# Altium PCB 机器人.PcbDoc (part 13 of 14) (continued)
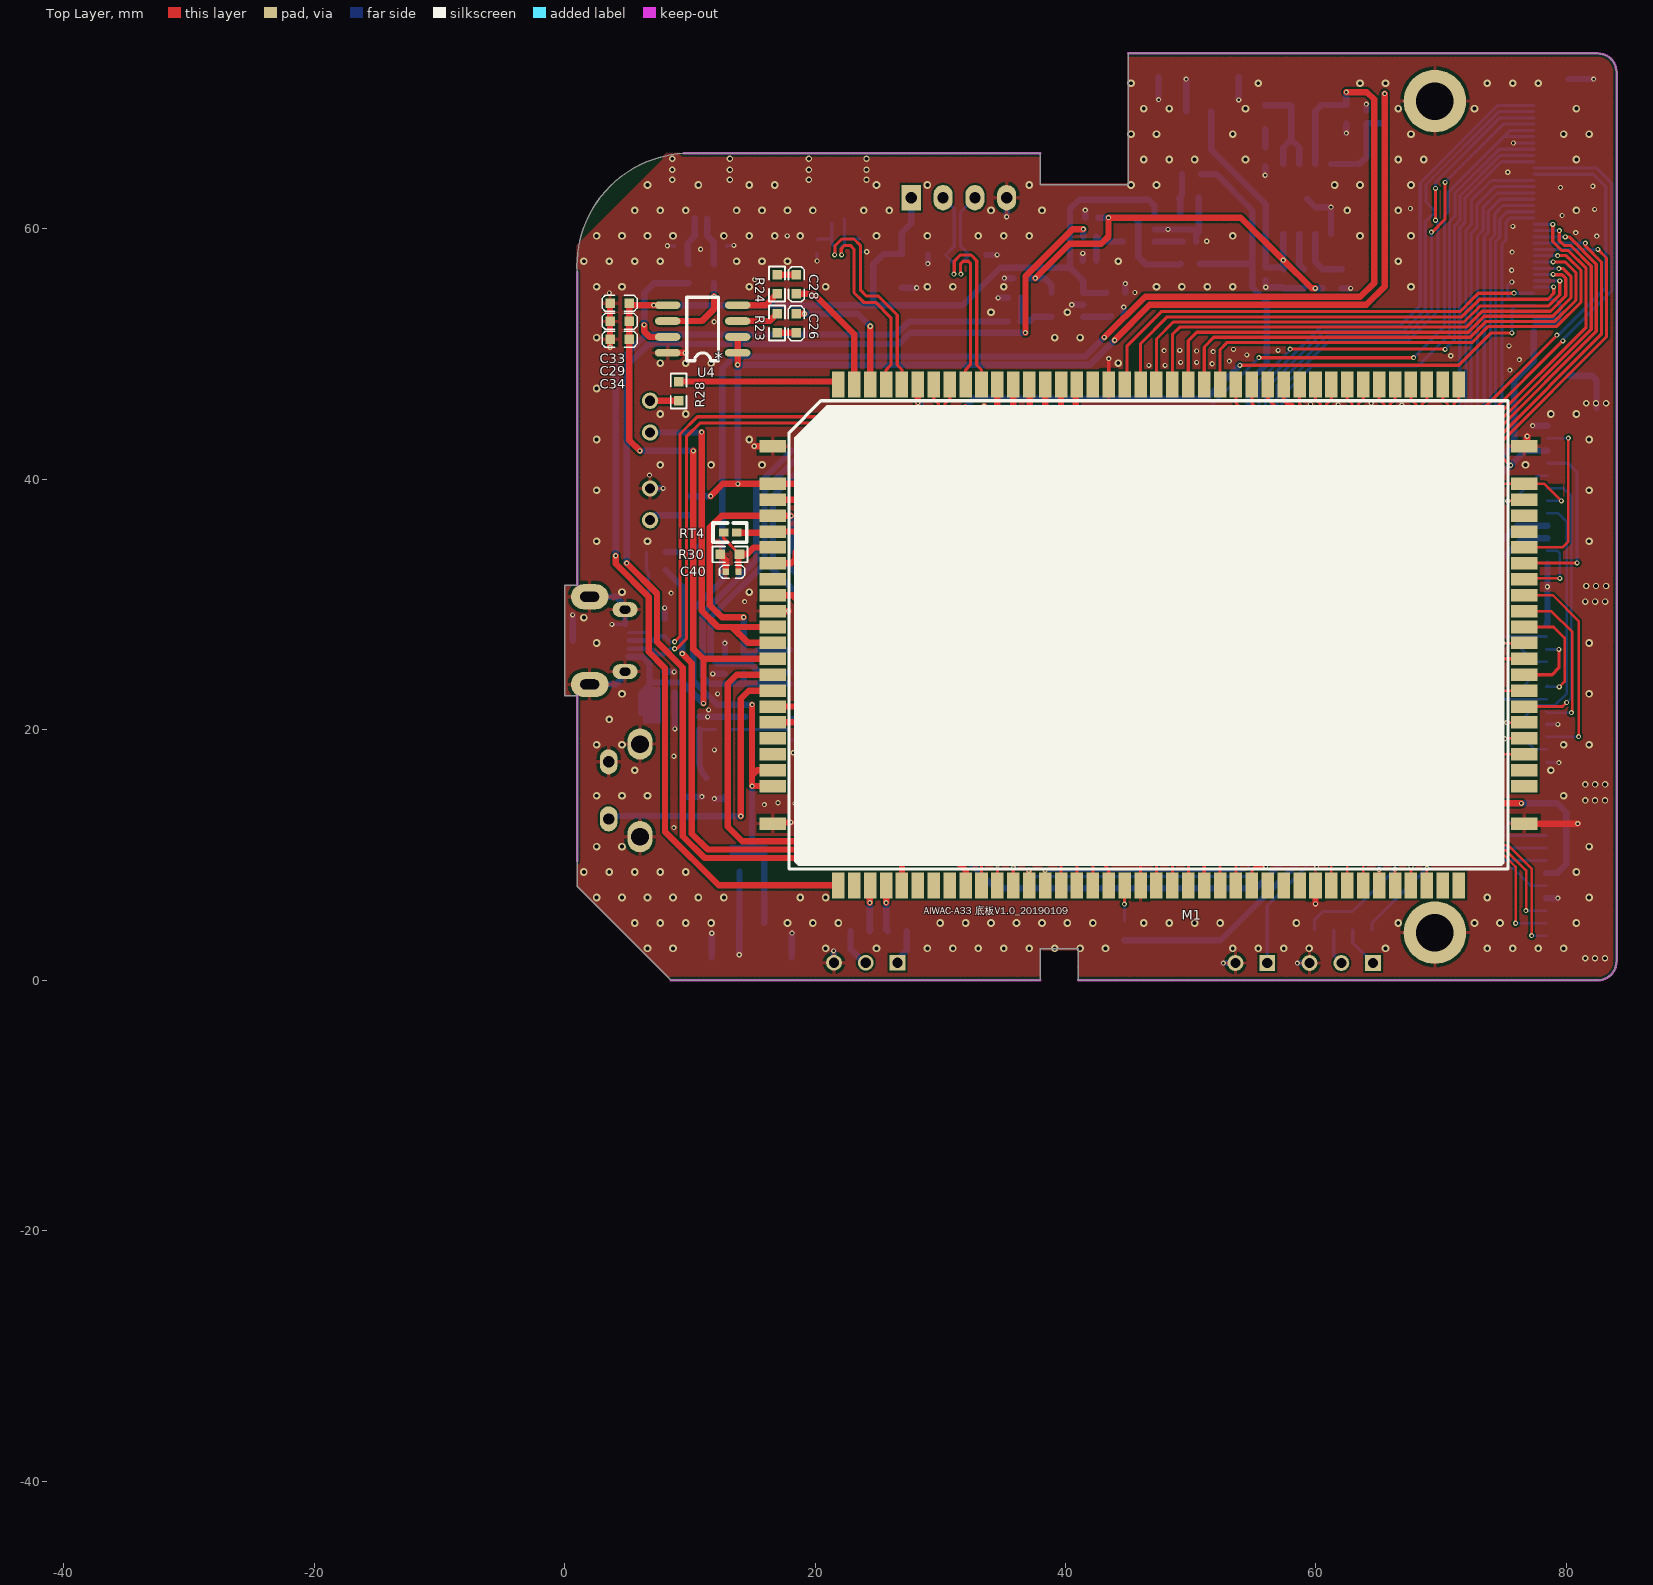
[diagram p0: Top Layer view]
## Nets (pads, with @x,y where several pads share a name; then routed paths per layer and width w, separated by ;. In a path a pad name is that pad's centre, name@x,y a point inside that pad or via, vN(x,y) a via of type N, cw(c..) or ccw(c..) an arc to the next point about the centre after c; other vN are vias at no path point) (continued)
NetM1_23: M1.23 R3.1 | length 3.7
  Top Layer w0.508: v1(24.384,6.198) 24.384,7.55 M1.23@24.404,7.57
  Bottom Layer w0.508: R3.1@24.359,3.912 24.404,3.957 24.384,3.977 v1(24.384,6.198)
NetM1_24: M1.24 R4.1 | length 3.7
  Top Layer w0.508: v1(25.674,6.198) M1.24@25.674,7.57
  Bottom Layer w0.508: v1(25.674,6.198) 25.674,4.044 R4.1@25.806,3.912
NetM1_39: M1.39 R13.2 | length 2.9
  Top Layer w0.254: v1(44.704,6.071) 44.704,7.55 M1.39@44.724,7.57
  Bottom Layer w0.254: R13.2@44.704,4.724 v1(44.704,6.071)
NetR16_2: R16.2 U1.7 | length 3
  Bottom Layer w0.508: U1.7@58.661,59.588 58.661,57.15 R16.2@59.042,56.769
NetR17_1: R17.1 R18.2 U1.6 | length 4.6
  Bottom Layer w0.508: U1.6@59.931,59.588 59.931,57.391 R17.1@60.554,56.769 R18.2@62.065,56.769
NetR19_1: R19.1 R22.2 U3.1 U3.4 | length 12.3
  Bottom Layer w0.508: R19.1@34.112,13.144 33.617,13.144 33.426,13.335 33.426,17.653 34.049,18.275 R22.2@35.077,18.275 36.54,18.275 U3.4@36.794,18.021 36.794,17.662 37.54,16.916 38.049,16.916 38.694,16.271 U3.1@38.694,15.621
NetR20_2: R20.2 U3.6 | length 3.2
  Bottom Layer w0.508: R20.2@38.329,21.082 38.329,19.888 38.694,19.522 U3.6@38.694,18.021
NetR21_2: R21.2 U3.5 | length 3.9
  Bottom Layer w0.508: R21.2@35.763,21.082 37.744,19.101 U3.5@37.744,18.021
NetR23_2: R23.2 U4.3 | length 3.4
  Top Layer w0.254: U4.3@13.823,52.635 U4.3@14.199,52.635
  Top Layer w0.508: U4.3@14.199,52.635 16.371,52.635 R23.2@16.967,53.231
NetR24_2: R24.2 U4.4 | length 3.5
  Top Layer w0.254: U4.4@13.823,53.905 U4.4@14.249,53.905
  Top Layer w0.508: U4.4@14.249,53.905 16.053,53.905 R24.2@16.967,54.819
NetR29_1: R29.1 U6.29 | length 3
  Bottom Layer w0.508: U6.29@29.628,22.77 32.475,22.77 R29.1@32.588,22.657
NetR34_1: R34.1 U6.24 | length 3.2
  Bottom Layer w0.508: U6.24@29.628,27.27 31.099,27.27 31.724,26.645 R34.1@32.55,26.645
NetR40_1: R40.1 U6.17 | length 3
  Bottom Layer w0.254: U6.17@23.803,29.495 23.803,30.305 25.014,31.516 R40.1@25.014,31.979
NetRT1_1: RT1.1 RT2.2 U5.4 | length 4.5
  Bottom Layer w0.508: RT2.2@36.449,54.483 36.449,52.629 RT1.1@36.424,52.603 37.084,52.603 37.452,52.972 U5.4@38.887,52.972
NetRT3_2: RT3.2 U5.3 | length 2.2
  Bottom Layer w0.508: U5.3@41.427,52.972 43.548,52.972 RT3.2@43.612,53.035
NetRT5_1: RT5.1 RT6.2 U7.4 | length 4.2
  Bottom Layer w0.508: RT6.2@42.469,57.447 RT5.1@42.469,59.377 42.862,58.984 U7.4@44.572,58.984
NetRT7_2: RT7.2 U7.3 | length 2.2
  Bottom Layer w0.508: U7.3@47.112,58.984 RT7.2@49.36,58.984
PB6: M1.48
PE0_CSI-PCLK: J2.7 M1.63 | length 10
  Top Layer w0.203: v1(74.6,22.435) 74.6,18.517 75.072,18.045 M1.63@76.629,18.045
  Bottom Layer w0.203: v1(74.6,22.435) J2.7@78.41,22.435
PE1_CSI-MCLK: J2.11 M1.64 | length 5.3
  Top Layer w0.203: v1(75.057,19.279) 75.093,19.315 M1.64@76.629,19.315
  Bottom Layer w0.203: v1(75.057,19.279) 76.629,19.279 77.473,18.435 J2.11@78.41,18.435
PE2_CSI-HSYNC: J3.8 M1.65 | length 22.7
  Top Layer w0.203: v1(75.235,20.574) 76.618,20.574 M1.65@76.629,20.585
  Bottom Layer w0.203: v1(75.235,20.574) 76.2,20.574 77.597,21.971 79.105,21.971 80.035,22.901 80.035,36.601 79.359,37.278 J3.8@78.486,37.278
PE3_CSI-VSYNC: J3.6 M1.66 | length 22.3
  Top Layer w0.203: M1.66@76.629,21.855 79.691,21.855 v1(80.01,22.174)
  Bottom Layer w0.203: J3.6@78.486,39.278 79.781,39.278 80.391,38.668 80.391,22.555 v1(80.01,22.174)
PE4_CSI-D0: J2.5 M1.67 | length 6.1
  Top Layer w0.203: v1(74.727,23.114) 76.618,23.114 M1.67@76.629,23.125
  Bottom Layer w0.203: v1(74.727,23.114) 76.2,23.114 77.521,24.435 J2.5@78.41,24.435
PE5_CSI-D1: J2.3 M1.68 | length 5.5
  Top Layer w0.254: M1.68@76.629,24.395 78.852,24.395 79.4,24.943 v1(79.4,26.416)
  Bottom Layer w0.254: J2.3@78.41,26.435 78.429,26.416 v1(79.4,26.416)
PE6_CSI-D2: J2.2 M1.69 | length 8.3
  Top Layer w0.254: v1(74.016,27.432) 74.016,26.518 74.868,25.665 M1.69@76.629,25.665
  Bottom Layer w0.254: v1(74.016,27.432) 74.018,27.435 J2.2@78.41,27.435
PE7_CSI-D3: J2.4 M1.70 | length 5.8
  Top Layer w0.203: v1(74.93,26.924) 76.618,26.924 M1.70@76.629,26.935
  Bottom Layer w0.203: v1(74.93,26.924) 75.946,26.924 77.435,25.435 J2.4@78.41,25.435
PE8_CSI-D4: J2.6 M1.71 | length 8.9
  Top Layer w0.203: M1.71@76.691,28.143 M1.71@76.629,28.205 78.983,28.205 79.858,27.33 79.858,23.851 v1(79.426,23.419)
  Bottom Layer w0.203: J2.6@78.41,23.435 78.495,23.52 78.597,23.419 v1(79.426,23.419)
PE9_CSI-D5: J2.8 M1.72 | length 13
  Top Layer w0.203: M1.72@76.629,29.475 78.78,29.475 80.467,27.788 80.467,21.438 v1(80.391,21.361)
  Bottom Layer w0.203: J2.8@78.41,21.435 78.413,21.438 78.489,21.361 v1(80.391,21.361)
PE10_CSI-D6: J2.10 M1.73 | length 17
  Top Layer w0.203: M1.73@76.629,30.745 78.907,30.745 80.975,28.677 v1(80.975,19.456)
  Bottom Layer w0.203: J2.10@78.41,19.435 78.414,19.431 78.439,19.456 v1(80.975,19.456)
PE11_CSI-D7: J3.11 M1.74 | length 6
  Top Layer w0.203: M1.74@76.629,32.015 76.694,32.08 v1(79.477,32.08)
  Bottom Layer w0.203: J3.11@78.486,34.278 79.286,34.278 79.477,34.087 v1(79.477,32.08)
PE12_CSI-SCK: J3.4 M1.75 | length 14.2
  Top Layer w0.254: M1.75@76.629,33.285 76.716,33.198 76.843,33.325 v1(80.848,33.325)
  Bottom Layer w0.254: J3.4@78.486,41.278 80.134,41.278 80.848,40.564 v1(80.848,33.325)
PE13_CSI-SDA: J3.2 M1.76 | length 13.7
  Top Layer w0.203: M1.76@76.629,34.555 79.691,34.555 80.162,35.027 v1(80.162,43.282)
  Bottom Layer w0.203: J3.2@78.486,43.278 78.49,43.282 v1(80.162,43.282)
PE16_CSI-RST-F: J3.5 M1.79 R12.2 | length 7.1
  Top Layer w0.203: v1(75.311,38.278) 76.542,38.278 M1.79@76.629,38.365
  Bottom Layer w0.203: R12.2@73.584,38.43 73.736,38.278 v1(75.311,38.278) 75.692,38.278 77.692,40.278 J3.5@78.486,40.278
PE17_CSI-STBY-F: J3.7 M1.80 R9.1 | length 17
  Top Layer w0.203: v1(70.906,37.603) 71.766,37.603 73.798,39.635 M1.80@76.629,39.635 78.247,39.635 v1(79.604,38.278)
  Bottom Layer w0.203: v1@70.917,37.603 70.917,33.452 R9.1@72.06,32.309 ; J3.7@78.486,38.278 v1(79.604,38.278)
PH4-SCK1: M1.49
PH5-SDA1: M1.50
POWERKEY: M1.14 S1.2 | length 23.2
  Top Layer w0.508: v1(14.072,13.106) 14.072,22.479 14.717,23.125 M1.14@16.629,23.125 M1.14@16.491,22.987
  Bottom Layer w0.508: S1.2@3.525,12.88 3.525,13.116 9.261,13.116 9.271,13.106 v1(14.072,13.106)
PS: D10.A M1.10 M1.11 | length 28.4
  Top Layer w0.508: v1(10.947,43.764) 10.947,29.515 12.257,28.205 13.375,28.205 ; M1.11@16.629,26.935 14.645,26.935 13.375,28.205 ; M1.10@16.629,28.205 13.375,28.205
  Bottom Layer w0.508: D10.A@6.833,43.73 v1@10.947,43.73
SDC0-CLK: J9.6 M1.58 R2.1 | length 18.2
  Top Layer w0.203: M1.58@68.854,7.57 68.859,7.575 v1(68.859,8.941)
  Bottom Layer w0.203: v1(68.859,8.941) 75.743,8.941 77.125,7.559 J9.6@78.401,7.559
  Bottom Layer w0.254: R2.1@64.465,4.013 64.465,4.547 v1(68.859,8.941)
SDC0-CMD: J9.4 M1.57 | length 12.5
  Top Layer w0.254: M1.57@67.584,7.57 67.589,7.575 v1(67.589,9.042)
  Bottom Layer w0.254: v1(67.589,9.042) 68.106,9.559 J9.4@78.401,9.559
SDC0-D0: J9.8 M1.53 | length 22.3
  Top Layer w0.203: M1.53@62.504,7.57 62.504,9.804 63.063,10.363 75.184,10.363 76.784,8.763 76.784,5.588 v1(76.759,5.563)
  Bottom Layer w0.203: v1(76.759,5.563) 76.762,5.559 J9.8@78.401,5.559
SDC0-D1: J9.9 M1.54 | length 21.7
  Top Layer w0.203: M1.54@63.774,7.57 63.774,9.597 64.109,9.931 75.074,9.931 75.946,9.06 v1(75.946,4.547)
  Bottom Layer w0.203: v1(75.946,4.547) v1@75.946,4.559 ; J9.9@78.401,4.559 v1@75.946,4.559 ; v1@75.946,4.559 75.933,4.559 75.946,4.572 v1@75.946,4.559
SDC0-D2: J9.2 M1.55 | length 16.9
  Top Layer w0.254: M1.55@65.044,7.57 65.049,7.575 v1(65.049,8.839)
  Bottom Layer w0.254: v1(65.049,8.839) 65.049,10.82 65.788,11.559 J9.2@78.401,11.559
SDC0-D3: J9.3 M1.56 R1.1 | length 23.7
  Top Layer w0.254: M1.56@66.314,7.57 66.319,7.575 v1(66.319,8.865)
  Bottom Layer w0.254: R1.1@59.893,4.013 59.893,4.826 60.554,5.486 62.941,5.486 v1(66.319,8.865) 66.319,10.033 66.845,10.559 J9.3@78.401,10.559
SDIO-CLK: M1.42 R40.2 | length 46
  Top Layer w0.254: v1(24.968,34.188) 24.892,34.112 24.892,20.43 31.123,14.199 46.152,14.199 48.534,11.816 M1.42@48.534,7.57
  Bottom Layer w0.254: v1(24.968,34.188) 25.014,34.143 R40.2@25.014,33.503
SDIO-CMD: M1.41 R43.2 U6.16 | length 44.7
  Top Layer w0.254: v1(22.903,30.701) 22.903,21.844 30.955,13.792 45.949,13.792 47.264,12.477 M1.41@47.264,7.57
  Bottom Layer w0.508: U6.16@22.903,29.495 v1(22.903,30.701) 23.515,31.313 R43.2@23.515,31.979
SDIO-D0: M1.43 R44.2 U6.18 | length 45.6
  Top Layer w0.254: v1(25.375,30.886) 25.375,20.522 31.241,14.656 46.33,14.656 49.83,11.155 49.83,7.544 M1.43@49.804,7.57
  Bottom Layer w0.254: U6.18@24.703,29.495 24.703,30.215 v1(25.375,30.886) 26.467,31.979 R44.2@26.538,31.979
SDIO-D1: M1.44 R45.2 U6.19 | length 46.4
  Top Layer w0.254: v1(25.895,30.543) 25.895,20.587 31.344,15.138 46.466,15.138 51.074,10.53 M1.44@51.074,7.57
  Bottom Layer w0.254: U6.19@25.603,29.495 25.603,30.251 v1(25.895,30.543) 26.187,30.836 27.356,30.836 27.986,31.465 R45.2@27.986,31.979
SDIO-D2: M1.45 R41.2 U6.14 | length 48.9
  Top Layer w0.254: v1(26.492,27.508) 26.492,20.565 31.512,15.545 46.634,15.545 52.344,9.835 M1.45@52.344,7.57
  Bottom Layer w0.254: U6.14@21.103,29.495 21.103,28.706 21.387,28.423 25.578,28.423 v1(26.492,27.508)
  Bottom Layer w0.508: R41.2@20.493,31.979 20.493,31.069 21.103,30.459 U6.14@21.103,29.495
SDIO-D3: M1.46 R42.2 U6.15 | length 57.9
  Top Layer w0.254: v1(22.003,30.886) 22.003,34.128 22.546,34.671 26.721,34.671 27.076,34.315 27.076,20.574 31.699,15.951 47.041,15.951 53.614,9.378 M1.46@53.614,7.57
  Bottom Layer w0.508: R42.2@21.991,31.979 22.003,31.967 v1(22.003,30.886) U6.15@22.003,29.495
SPI0-CLK: M1.61
SPI0-CS: M1.62
SPI0-MISO: M1.59
SPI0-MOSI: M1.60
T-CARD-DET: J9.10 M1.52 | length 25.7
  Top Layer w0.203: M1.52@61.234,7.57 61.234,9.418 62.586,10.77 75.362,10.77 77.216,8.915 v1(77.216,3.556)
  Bottom Layer w0.203: v1(77.216,3.556) 78.398,3.556 J9.10@78.401,3.559
TEMP: C40.1 M1.5 R30.2 RT4.1 | length 6.6
  Top Layer w0.254: RT4.1@12.7,35.738 12.7,35.281 R30.2@13.97,34.011
  Top Layer w0.508: C40.1@13.894,32.614 13.894,33.934 R30.2@13.97,34.011 14.569,34.011 15.113,34.555 M1.5@16.629,34.555
TP-INT: J1.37 M1.34 | length 91.5
  Top Layer w0.254: M1.34@38.374,7.57 38.374,8.783 38.379,8.778 v1(38.379,8.763) ; v1(69.215,59.741) 69.288,59.741 70.307,60.76 v1(70.307,63.703)
  Bottom Layer w0.254: v1(38.379,8.763) 54.331,8.763 56.883,11.315 56.883,47.459 60.858,51.435 67.174,51.435 69.215,53.476 v1(69.215,59.741) ; v1(70.307,63.703) 74.962,68.358 J1.37@77.405,68.358
TP-RST: J1.40 M1.31 | length 96.3
  Top Layer w0.254: M1.31@34.564,7.57 34.564,9.19 v1(34.569,9.195)
  Bottom Layer w0.254: v1(34.569,9.195) 35.039,9.664 53.759,9.664 55.982,11.887 55.982,47.743 60.487,52.248 66.732,52.248 68.326,53.842 68.326,63.659 74.525,69.858 J1.40@77.405,69.858
TP-SCK: J1.39 M1.32 R11.2 | length 95.7
  Top Layer w0.254: M1.32@35.834,7.57 35.834,8.986 v1(35.839,8.992)
  Bottom Layer w0.254: v1(35.839,8.992) 36.106,9.258 54.114,9.258 56.388,11.532 56.388,47.574 60.655,51.841 67.005,51.841 68.732,53.569 68.732,60.55 69.345,61.163 69.545,61.163 R11.2@69.545,61.366 68.783,62.128 68.783,63.541 74.6,69.358 J1.39@77.405,69.358
TP-SDA: J1.38 M1.33 R10.2 | length 95
  Top Layer w0.254: v1(69.545,60.681) v1(69.545,63.221)
  Top Layer w0.508: v1(37.084,8.763) 37.084,7.59 M1.33@37.104,7.57
  Bottom Layer w0.254: v1(37.084,8.763) 37.567,8.28 54.432,8.28 57.289,11.137 57.289,47.291 61.027,51.029 67.342,51.029 69.748,53.435 69.748,60.477 v1(69.545,60.681) ; R10.2@69.545,62.56 v1(69.545,63.221) 69.545,63.729 74.675,68.858 J1.38@77.405,68.858
UART2_CTS: M1.25 RT5.2 | length 103.8
  Top Layer w0.508: v1(4.953,33.299) 7.377,30.875 7.377,27.016 9.449,24.944 9.449,11.487 11.182,9.754 26.492,9.754 26.944,9.302 M1.25@26.944,7.57 ; v1(36.805,51.714) 36.805,56.21 40.564,59.969 v1(41.427,59.969)
  Bottom Layer w0.508: v1(4.953,33.299) 4.953,49.053 6.7,50.8 26.695,50.8 27.61,51.714 v1(36.805,51.714) ; RT5.2@41.427,59.377 v1(41.427,59.969)
USB-DM0: D13.2 J10.2 M1.113 | length 45.4
  Top Layer w0.254: v1(8.788,26.467) 8.948,26.467 9.728,27.247 9.728,43.401 10.815,44.488 29.751,44.488 30.373,45.111 30.373,46.012 30.754,46.393 M1.113@30.754,47.57
  Bottom Layer w0.254: D13.2@7.95,26.022 8.42,26.492 8.763,26.492 v1(8.788,26.467)
  Bottom Layer w0.381: J10.2@5.13,26.47 6.931,26.47 7.379,26.022 D13.2@7.95,26.022
USB-DM1: D6.1 J4.2 M1.111 | length 20.3
  Top Layer w0.254: v1(31.09,56.388) 31.115,56.413 31.115,57.424 31.603,57.912 32.468,57.912 32.918,57.462 32.918,49.123 33.294,48.747 M1.111@33.294,47.57
  Bottom Layer w0.254: J4.2@30.226,62.484 31.115,61.595 31.115,58.61 D6.1@30.416,57.912 31.115,57.213 31.115,56.413 v1(31.09,56.388)
USB-DP0: D12.2 J10.3 M1.114 | length 44.5
  Top Layer w0.254: v1(8.788,27.026) 9.22,27.457 9.22,43.612 10.605,44.996 29.54,44.996 29.865,45.321 29.865,46.012 29.484,46.393 M1.114@29.484,47.57
  Bottom Layer w0.254: D12.2@7.988,27.47 8.458,27 8.763,27 v1(8.788,27.026)
  Bottom Layer w0.381: J10.3@5.13,27.12 7.067,27.12 7.417,27.47 D12.2@7.988,27.47
USB-DP1: D7.1 J4.3 M1.112 | length 18.8
  Top Layer w0.254: v1(31.648,56.388) 31.623,56.413 31.623,57.213 31.814,57.404 32.258,57.404 32.41,57.252 32.41,49.133 32.024,48.747 M1.112@32.024,47.57
  Bottom Layer w0.254: v1(31.648,56.388) 31.623,56.413 31.623,57.213 D7.1@32.321,57.912 31.623,58.61 31.623,61.341 J4.3@32.766,62.484
USB-DRVVBUS: M1.21 RT1.2 | length 87.3
  Top Layer w0.508: v1(4.077,33.896) 4.077,33.242 6.717,30.602 6.717,26.227 8.026,24.917 8.026,11.862 12.318,7.57 M1.21@21.864,7.57
  Bottom Layer w0.508: v1(4.077,33.896) 4.077,49.111 6.528,51.562 26.467,51.562 27.508,52.603 RT1.2@35.382,52.603
USB-ID: M1.29 R38.1 | length 46.2
  Top Layer w0.508: v1(9.398,26.086) 10.16,25.324 10.16,11.709 11.43,10.439 27,10.439 27.864,9.576 31.222,9.576 32.024,8.774 M1.29@32.024,7.57
  Bottom Layer w0.508: R38.1@8.077,32.747 9.398,31.426 v1(9.398,26.086)
VBAT: C14.2 C36.1 J8.1 L1.1 M1.19 M1.20 U1.3 | length 134
  Top Layer w0.508: v1(14.971,22.007) 14.971,16.368 ; M1.20@16.629,15.505 v1(14.971,15.505) 14.971,16.368 ; M1.19@16.629,16.775 15.378,16.775 14.971,16.368 ; v1(43.104,51.333) 46.355,54.585 63.551,54.585 64.643,55.677 64.643,70.333 64.059,70.917 v1(62.433,70.917)
  Bottom Layer w0.508: C36.1@13.97,10.16 15.392,10.16 ; v1(14.971,15.505) 14.971,10.581 15.392,10.16 ; v1(14.971,22.007) 12.182,22.007 10.287,23.902 10.287,29.616 12.598,31.928 12.598,48.853 13.549,49.804 41.575,49.804 v1(43.104,51.333) ; J8.1@15.951,4.597 15.951,9.601 15.392,10.16 ; U1.3@59.931,65.176 59.931,69.405 L1.1@60.325,69.799 60.415,69.889 C14.2@62.433,69.889 v1(62.433,70.917)
VCC-3V0: J9.5 M1.1 R13.1 R14.2 R32.1 R33.2 R39.2 U4.1 U4.2 | length 212.8
  Top Layer w0.508: v1(11.659,38.659) 12.635,39.635 v1(13.843,39.635) M1.1@16.629,39.635 20.563,39.635 v1(20.98,39.218) ; v1(13.823,49.144) U4.1@13.823,50.095 U4.2@13.823,51.365 ; v1(43.917,51.105) 46.736,53.924 64.008,53.924 65.481,55.397 v1(65.481,70.79) ; v1(53.518,14.122) 60.528,14.122 ; v1(60.528,11.328) 60.528,14.122 ; v1(76.403,14.122) 60.528,14.122
  Bottom Layer w0.508: R39.2@8.077,34.194 10.293,34.194 10.947,34.849 10.947,38.659 ; R33.2@10.033,38.659 10.947,38.659 ; v1(11.659,38.659) 10.947,38.659 ; v1@13.823,39.635 v1(13.823,49.144) 41.956,49.144 v1(43.917,51.105) ; v1(20.98,39.218) 51.689,39.218 53.518,37.389 v1(53.518,14.122) ; R13.1@44.704,3.2 52.4,3.2 v1(60.528,11.328) ; R14.2@65.481,70.002 v1(65.481,70.79) ; R32.1@75.565,14.122 v1(76.403,14.122) 79.273,14.122 79.985,13.411 79.985,9.27 79.273,8.559 J9.5@78.401,8.559
VCC-CTP: J1.35 J1.36 M1.6 R10.1 R11.1 | length 87.6
  Top Layer w0.254: v1(55.448,49.708) v1(67.793,49.708)
  Top Layer w0.508: M1.6@16.629,33.285 18.104,33.285 18.466,33.647 18.466,34.188 20.955,36.678 30.671,36.678 32.664,38.671 32.664,45.009 v1(33.503,45.847)
  Bottom Layer w0.254: v1(33.503,45.847) 51.587,45.847 v1(55.448,49.708) ; v1(67.793,49.708) 70.256,52.172 70.256,61.062 R11.1@70.561,61.366 70.557,61.37 70.557,62.556 R10.1@70.561,62.56 70.561,62.912 75.008,67.358 ; J1.35@77.405,67.358 75.008,67.358 ; J1.36@77.405,67.858 75.508,67.858 75.008,67.358
VCC-LCD: J1.7 J1.8 M1.4 RT4.2 | length 78.1
  Top Layer w0.254: v1(53.924,49.098) 71.399,49.098 73.99,51.689 v1(75.641,51.689)
  Top Layer w0.508: RT4.2@13.741,35.738 16.462,35.738 16.589,35.865 M1.4@16.629,35.825 18.883,35.825 20.396,37.338 30.398,37.338 32.004,38.944 v1(32.004,45.745)
  Bottom Layer w0.254: v1(75.641,51.689) 75.641,53.333 75.616,53.358 ; J1.7@77.405,53.358 75.616,53.358 ; J1.8@77.405,53.858 75.931,53.858 75.616,53.543 75.616,53.358
  Bottom Layer w0.508: v1(32.004,45.745) 32.715,46.457 33.755,46.457 33.781,46.431 51.257,46.431 v1(53.924,49.098)
VCC-WIFI: C41.1 C45.2 C49.1 M1.3 R21.1 R25.1 R26.1 R29.2 R36.1 R41.1 R42.1 R43.1 R44.1 R45.1 U6.9 U6.22 | length 85.2
  Top Layer w0.508: v1(14.3,28.981) 12.573,28.981 11.608,29.947 11.608,36.144 12.558,37.095 M1.3@16.629,37.095 16.64,37.084 v1(18.085,37.084) ; v1(27.991,34.366) 28.016,34.341 30.404,34.341 31.465,33.279 v1(31.465,31.166) 31.465,25.227 v1(31.471,25.222) 31.471,24.575 v1@34.074,21.971
  Bottom Layer w0.508: v1(14.3,28.981) 14.3,26.094 C41.1@14.333,26.061 15.114,26.061 15.423,26.37 U6.9@17.978,26.37 ; v1(18.085,37.084) 18.085,34.4 C49.1@18.994,33.491 20.48,33.491 R41.1@20.493,33.503 R42.1@21.991,33.503 R43.1@23.515,33.503 23.515,34.336 23.978,34.798 26.035,34.798 26.538,34.295 R44.1@26.538,33.503 R45.1@27.986,33.503 27.986,34.361 v1(27.991,34.366) ; R26.1@20.035,13.666 R25.1@21.534,13.666 22.5,12.7 30.404,12.7 31.394,13.691 31.394,16.84 34.112,19.558 v1(34.112,21.971) R29.2@34.112,22.657 35.712,22.657 R21.1@35.763,22.606 ; U6.22@28.303,29.495 30.663,29.495 31.465,30.297 v1(31.465,31.166) C45.2@31.465,31.967 ; v1(31.471,25.222) 32.5,25.222 R36.1@32.55,25.172
WL-HOST-WAKE: M1.108 U6.13 | length 35.3
  Top Layer w0.508: v1(19.761,30.759) v1(19.761,34.392) ; M1.108@37.104,47.57 37.16,47.514 v1(37.16,40.107)
  Bottom Layer w0.508: v1(19.761,30.759) 20.203,30.318 U6.13@20.203,29.495 ; v1(19.761,34.392) 19.761,39.395 20.472,40.107 v1(37.16,40.107)
WL-REG-ON: M1.107 R37.1 U6.12 | length 39.6
  Top Layer w0.508: v1(38.374,40.874) M1.107@38.374,47.57
  Bottom Layer w0.508: U6.12@19.303,29.495 19.303,30.146 R37.1@17.47,31.979 16.629,32.82 16.629,38.626 18.872,40.869 38.369,40.869 v1(38.374,40.874)
pads on no net: M1.7 M1.17 M1.18 M1.22 M1.26 M1.27 M1.28 M1.77 M1.78 M1.104 U6.4 U6.5 U6.8 U6.10 U6.11 U6.25 U6.26 U6.27 U6.28 U6.32 U6.35 U6.37 U6.38 U6.39 U6.40

## Polygon pours and split planes (outlines as drawn)
GND on Top Layer "Top Layer-No Net" (hatched 90Degree grid 0.102 track 0.127, remove dead copper, pour order 2): 7.874,65.786 8.108,66.02 38,66.02 38,63.602 45,63.602 45,74 82.972,74 84,72.972 84,0.942 83.058,0 41,0 41,2.439 38.181,2.439 38.12,2.5 38,2.38 38,0 8.5,0 1,7.5 1,22.72 0.02,22.72 0.02,31.52 1,31.52 1,58.658 7.874,65.532
GND on Bottom Layer "Top Layer-No Net" (hatched 90Degree grid 0.102 track 0.127, remove dead copper, pour order 4): 8.128,65.837 9.093,65.837 9.296,66.04 37.98,66.04 38,66.02 38,63.52 44.918,63.52 45,63.602 45,74 82.972,74 84.074,72.898 84.074,1.016 83.058,0 41,0 41,2.439 38.059,2.439 38,2.38 38,0 8.5,0 1,7.5 1,22.72 0.02,22.72 0.02,25.401 -0.253,25.401 -0.254,25.4 -0.254,28.956 0.02,28.956 0.02,28.957 0.02,31.52 1,31.52 1.169,31.689 1.169,58.827 8.128,65.786

## Keep-outs
Keep-Out Layer:
  lines w0.2: 1,9.5 1,22.72 ; 1,31.52 1,56.52 ; 8.5,0 38,0 ; 9.5,66.02 38,66.02 ; 41,0 82.5,0 ccw(c82.5,1.5) 84,1.5 84,72.5 ccw(c82.5,72.5) 82.5,74 45,74

## Other copper
Top Layer:
  pour cut-out: 10.414,21.336 10.752,21.674 10.891,21.674 10.891,22.301 10.841,22.352 10.587,22.098 10.414,22.098
  pour cut-out: 79.77,39.694 79.776,39.7 79.776,32.942 76.96,32.942 77.67,33.652 77.67,39.32 77.777,39.32 78.151,39.694
  pour cut-out: 33.172,43.624 34.353,43.624 34.417,43.688 34.239,43.866 34.239,46.584 32.178,46.584 31.923,46.329 32.309,45.942 32.309,44.488
  pour cut-out: 22.047,15.342 22.098,15.392 24.028,15.392 24.028,15.749 24.13,15.85 21.54,15.85 21.539,15.85
  pour cut-out: 23.693,18.736 23.961,18.736 25.197,17.501 24.65,16.954 23.693,16.954
  pour cut-out: 31.217,40.03 31.242,40.005 34.036,40.005 34.036,42.316 33.934,42.418 31.775,40.259 31.09,40.259
  pour cut-out: 36.906,40.03 36.906,46.398 37.409,46.901 41.168,46.901 41.168,42.634 38.387,39.853 37.084,39.853
  pour cut-out: 27.351,13.17 28.176,13.995 28.245,13.995 28.245,13.993 29.925,12.312 29.925,11.481 28.677,11.481 28.575,11.38 27.452,12.503 27.452,13.17
Bottom Layer:
  rectangle net VBAT: 13.17,9.55 16.205,10.81
  rectangle net HOST2_5V: 6.274,20.498 7.722,23.393
  pour cut-out: 20.701,32.334 29.129,32.334 29.281,32.182 28.702,31.603 28.702,30.175 28.55,30.023 28.321,30.251 20.852,30.251 20.65,30.05 20.65,32.309
  pour cut-out: 25.578,28.804 25.628,28.753 26.238,28.753 26.238,28.042 25.858,28.423 25.578,28.423 25.578,28.778 25.603,28.804
  pour cut-out: 80.48,36.475 80.849,36.475 81.102,36.728 81.407,36.424 81.407,32.182 81.102,31.877 81.102,30.785 80.848,30.531 80.48,30.899
  pour cut-out: 76.627,9.703 76.674,9.656 76.674,8.332 75.556,9.449 75.784,9.677 76.627,9.677

## Silkscreen, mask and mechanical layers (free items; w line width, h text height)
Top Overlay:
  region: 20.917,45.923 75.019,45.923 75.019,9.347 74.816,9.144 18.656,9.144 18.351,9.449 18.351,43.358 18.402,43.409
  region: 133.474,-55.804 79.074,-55.804 76.674,-58.204 76.674,-92.704 77.274,-92.704 133.474,-92.604
  text "AIWAC-A33 底板V1.0_20190109" at 28.702,5.08 h1.02
Bottom Overlay:
  lines w0.254: 24.435,10.947 25.014,10.947 ; 24.74,10.541 24.74,11.278 ; 21.768,9.144 22.149,9.525 22.149,8.763 21.768,9.144
  text "5寸RGB屏接口" at 77.978,73.051 h0.76 r180
  text "5V,GND转接口" at 50.922,66.548 h0.76 r180
  text "USB接口" at 40.863,63.13 h0.76 r180
  text "HP" at 7.874,62.992 h1.52 r180
  text "mic" at 18.542,62.738 h1.52 r180
  text "电池充电指示灯" at 6.347,42.723 h0.76 r180
  text "3.0V上电指示灯" at 6.35,40.539 h0.76 r180
  text "OTG" at 2.967,32.512 h0.76 r180
  text "camera 接口" at 80.264,15.647 h0.76 r180
  text "开关机按键" at 5.334,10.059 h0.76 r180
  text "音量键" at 49.703,8.635 h0.76 r180
  text "TX" at 66.904,1.88 h0.76 r180
  text "TX" at 28.702,1.626 h0.76 r180
  text "串口2" at 33.02,1.626 h0.76 r180
  text "音量键" at 51.735,1.523 h0.76 r180
  text "TF卡接口" at 80.416,1.321 h0.76 r180
  text "串口0" at 69.921,0.762 h0.76 r180
  text "音量键" at -0.843,-82.297 h0.76 r180
Mechanical 1:
  lines w0.2: 1,9.5 1,7.5 8.5,0 ; 1,22.72 0,22.72 0,31.52 1,31.52 ; 1,56.52 cw(c10,57.02) 9.5,66.02 ; 38,0 38,2.5 41,2.5 41,0 ; 38,66.02 38,63.52 45,63.52 45,74
  lines w0.254: 0.25,-2.532 0.253,-2.024 ; 1.772,-2.794 0.251,-2.278 ; 1.778,-1.778 0.251,-2.278 ; 34.254,-2.463 0.251,-2.278 ; 50.302,-2.55 84.305,-2.736 ; 82.778,-3.235 84.305,-2.736 ; 82.784,-2.219 84.305,-2.736 ; 84.304,-2.99 84.306,-2.482 ; 85.344,1.277 85.842,-0.25 ; 85.588,-0.249 86.096,-0.252 ; 85.831,72.229 86.35,73.75 ; 86.04,28.726 85.842,-0.25 ; 86.096,73.751 86.604,73.748 ; 86.151,44.773 86.35,73.75 ; 86.36,1.27 85.842,-0.25 ; 86.847,72.222 86.35,73.75
  text "74.002 (mm)" at 86.956,28.973 h1.52 r89.61
  text "84.055 (mm)" at 34.503,-3.378 h1.52 r359.69
Mechanical 2:
  drawing of 19725 lines, arcs and shapes, not listed
Mechanical 3:
  drawing of 7932 lines, arcs and shapes, not listed
Mechanical 4:
  lines w0: -39.046,-44.143 -39.046,-44.141 ; -39.046,-44.143 -39.045,-44.143 ; -39.046,-44.143 -39.046,-44.141 ; -39.046,-44.143 -39.045,-44.143 ; -39.046,-44.143 -39.045,-44.143 ; -39.046,-44.143 -39.046,-44.141 ; -39.046,-44.141 -39.045,-44.141 ; -39.046,-44.141 -39.045,-44.141 ; -39.046,-44.141 -39.045,-44.141 ; -39.045,-44.143 -39.045,-44.141 ; -39.045,-44.143 -39.045,-44.141 ; -39.045,-44.143 -39.045,-44.141 ; -39.043,-44.112 -39.042,-44.112 ; -39.043,-44.112 -39.043,-44.108 ; -39.043,-44.112 -39.042,-44.112 ; -39.043,-44.112 -39.043,-44.108 ; -39.043,-44.112 -39.043,-44.108 ; -39.043,-44.112 -39.042,-44.112 ; -39.043,-44.108 -39.042,-44.108 ; -39.043,-44.108 -39.042,-44.108 ; -39.043,-44.108 -39.042,-44.108 ; -39.044,-44.1 -39.044,-44.097 ; -39.044,-44.1 -39.042,-44.1 ; -39.044,-44.1 -39.044,-44.097 ; -39.044,-44.1 -39.042,-44.1 ; -39.044,-44.1 -39.042,-44.1 ; -39.044,-44.1 -39.044,-44.097 ; -39.044,-44.097 -39.042,-44.097 ; -39.044,-44.097 -39.042,-44.097 ; -39.044,-44.097 -39.042,-44.097 ; -39.042,-44.1 -39.042,-44.097 ; -39.042,-44.1 -39.042,-44.097 ; -39.042,-44.1 -39.042,-44.097 ; -39.042,-44.112 -39.042,-44.108 ; -39.042,-44.112 -39.042,-44.108 ; -39.042,-44.112 -39.042,-44.108 ; -39.041,-44.11 -39.041,-44.108 ; -39.041,-44.11 -39.038,-44.11 ; -39.041,-44.11 -39.041,-44.108 ; -39.041,-44.11 -39.038,-44.11 ; -39.041,-44.11 -39.038,-44.11 ; -39.041,-44.11 -39.041,-44.108 ; -39.041,-44.108 -39.038,-44.108 ; -39.041,-44.108 -39.038,-44.108 ; -39.041,-44.108 -39.038,-44.108 ; -39.038,-44.122 -39.036,-44.122 ; -39.038,-44.122 -39.038,-44.121 ; -39.038,-44.122 -39.036,-44.122 ; -39.038,-44.122 -39.038,-44.121 ; -39.038,-44.122 -39.038,-44.121 ; -39.038,-44.122 -39.036,-44.122 ; -39.038,-44.121 -39.036,-44.121 ; -39.038,-44.121 -39.036,-44.121 ; -39.038,-44.121 -39.036,-44.121 ; -39.038,-44.11 -39.038,-44.108 ; -39.038,-44.11 -39.038,-44.108 ; -39.038,-44.11 -39.038,-44.108 ; -39.036,-44.122 -39.036,-44.121 ; -39.036,-44.122 -39.036,-44.121 ; -39.036,-44.122 -39.036,-44.121 ; -39.036,-44.104 -39.036,-44.101 ; -39.036,-44.104 -39.034,-44.104 ; -39.036,-44.104 -39.036,-44.101 ; -39.036,-44.104 -39.034,-44.104 ; -39.036,-44.104 -39.034,-44.104 ; -39.036,-44.104 -39.036,-44.101 ; -39.036,-44.101 -39.034,-44.101 ; -39.036,-44.101 -39.034,-44.101 ; -39.036,-44.101 -39.034,-44.101 ; -39.034,-44.104 -39.034,-44.101 ; -39.034,-44.104 -39.034,-44.101 ; -39.034,-44.104 -39.034,-44.101 ; -38.995,-44.105 -38.995,-44.102 ; -38.995,-44.105 -38.994,-44.105 ; -38.995,-44.105 -38.995,-44.102 ; -38.995,-44.105 -38.994,-44.105 ; -38.995,-44.105 -38.994,-44.105 ; -38.995,-44.105 -38.995,-44.102 ; -38.995,-44.102 -38.994,-44.102 ; -38.995,-44.102 -38.994,-44.102 ; -38.995,-44.102 -38.994,-44.102 ; -38.994,-44.105 -38.994,-44.102 ; -38.994,-44.105 -38.994,-44.102 ; -38.994,-44.105 -38.994,-44.102 ; -38.993,-44.105 -38.993,-44.102 ; -38.993,-44.105 -38.992,-44.105 ; -38.993,-44.105 -38.993,-44.102 ; -38.993,-44.105 -38.992,-44.105 ; -38.993,-44.105 -38.992,-44.105 ; -38.993,-44.105 -38.993,-44.102 ; -38.993,-44.102 -38.992,-44.102 ; -38.993,-44.102 -38.992,-44.102 ; -38.993,-44.102 -38.992,-44.102 ; -38.992,-44.105 -38.992,-44.102 ; -38.992,-44.105 -38.992,-44.102 ; -38.992,-44.105 -38.992,-44.102 ; -38.979,-44.104 -38.979,-44.102 ; -38.979,-44.104 -38.976,-44.104 ; -38.979,-44.104 -38.979,-44.102 ; -38.979,-44.104 -38.976,-44.104 ; -38.979,-44.104 -38.976,-44.104 ; -38.979,-44.104 -38.979,-44.102 ; -38.979,-44.102 -38.976,-44.102 ; -38.979,-44.102 -38.976,-44.102 ; -38.979,-44.102 -38.976,-44.102 ; -38.978,-44.105 -38.976,-44.105 ; -38.978,-44.105 -38.978,-44.104 ; -38.978,-44.105 -38.976,-44.105 ; -38.978,-44.105 -38.978,-44.104 ; -38.978,-44.105 -38.978,-44.104 ; -38.978,-44.105 -38.976,-44.105 ; -38.978,-44.104 -38.976,-44.104 ; -38.978,-44.104 -38.976,-44.104 ; -38.978,-44.104 -38.976,-44.104 ; -38.976,-44.105 -38.976,-44.104 ; -38.976,-44.105 -38.976,-44.104 ; -38.976,-44.105 -38.976,-44.104 ; -38.976,-44.104 -38.976,-44.102 ; -38.976,-44.104 -38.976,-44.102 ; -38.976,-44.104 -38.976,-44.102
Mechanical 5:
  drawing of 420 lines, arcs and shapes, not listed